# Altium PCB EDA-04211-V4_0_pcb.pcbdoc (part 8 of 12)
Units mm, origin at the board's own origin, x right, y up, seen from the top; angles counter-clockwise.
Board outline 304.8 x 128.5 mm, 14 copper layers (Top Layer, L2, L3GND, L4, L5GND, L6, L7GND, L8, L9GND, L10, L11GND, L12, L13GND, Bottom Layer), stack 4.06 mm thick; 143 components, 1224 nets, 5334 pads, 591 vias.
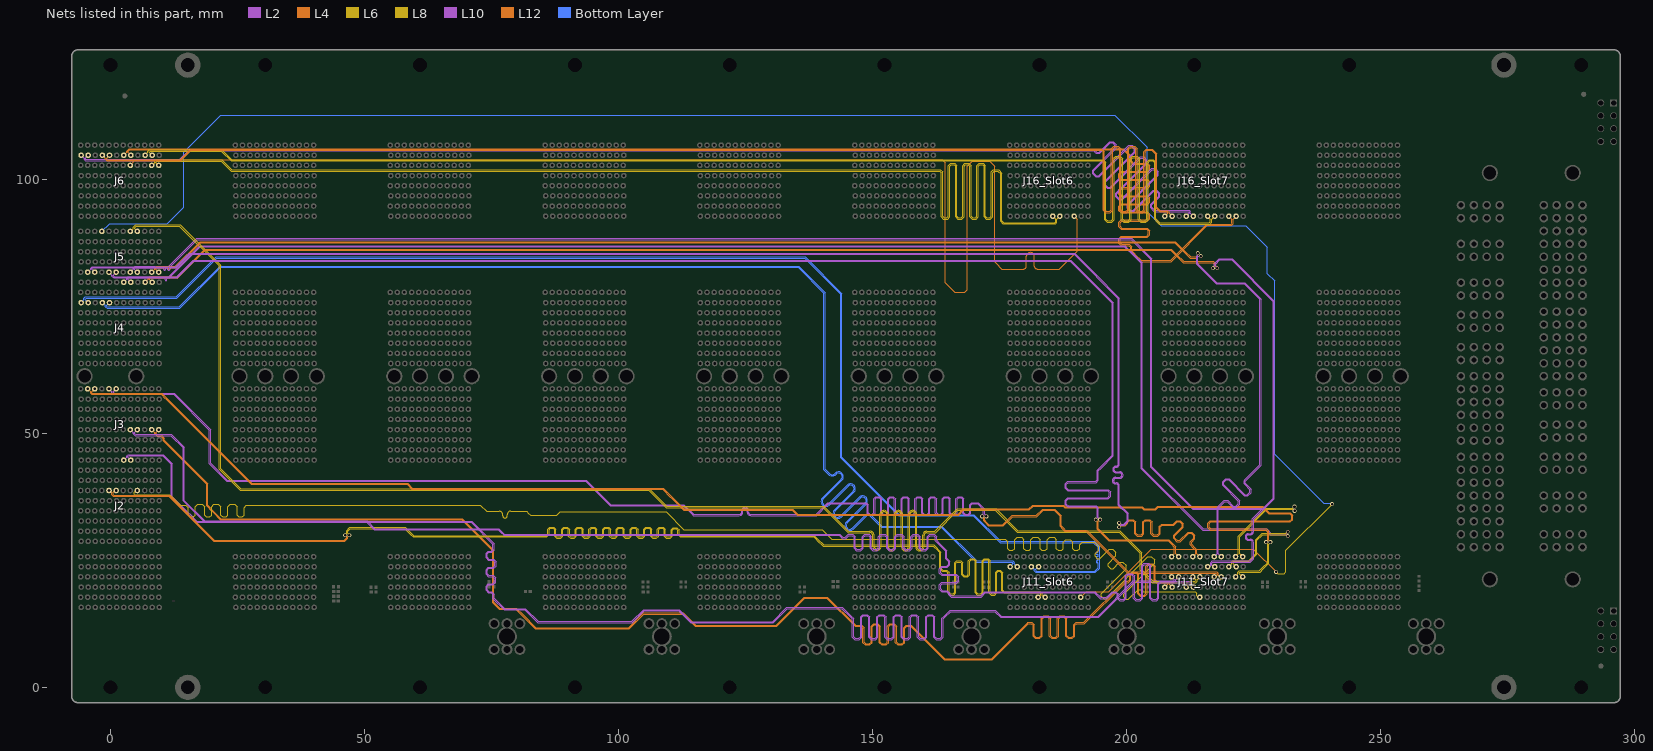
[diagram p20: the nets of this part, all layers, seen from the top]

## Via types
v1: diameter 0.75, hole 0.5, Top Layer to Bottom Layer, tented both sides, 549 vias
v2: diameter 0.85, hole 0.5, Top Layer to Bottom Layer, tented both sides, 32 vias
v3: diameter 1.3, hole 1, Top Layer to Bottom Layer, tented both sides, 10 vias

## Nets (pads, with @x,y where several pads share a name; then routed paths per layer and width w, separated by ;. In a path a pad name is that pad's centre, name@x,y a point inside that pad or via, vN(x,y) a via of type N, cw(c..) or ccw(c..) an arc to the next point about the centre after c; other vN are vias at no path point) (continued)
6_DIFF_13_P: J6.H6 J16_Slot6.J1 | length 270.3
  L12 w0.102: J6.H6@3.92,102.75 4.506,103.336 4.506,103.588 4.748,103.831 163.783,103.831 164.302,103.312 164.302,79.612 166.064,77.85 166.164,77.75 168.14,77.75 168.673,78.283 168.673,102.542 169.683,103.552 173.124,103.552 174.059,102.618 174.059,83.779 174.24,83.598 174.24,83.55 175.44,82.35 179.595,82.35 179.761,82.35 ccw(c179.761,82.909) 180.32,82.909 180.32,84.824 cw(c181.108,84.824) 181.108,85.612 cw(c181.108,84.824) 181.896,84.824 181.896,82.909 ccw(c182.455,82.909) 182.455,82.35 186.024,82.35 186.74,82.35 190.285,85.895 190.285,92.164 J16_Slot6.J1@189.7,92.75
6_DIFF_14_N: J6.L6 J16_Slot6.H1 | length 270.4
  L8 w0.12: J6.L6@9.52,102.75 8.955,103.315 8.955,103.418 9.118,103.581 21.808,103.581 23.764,101.625 162.54,101.625 162.585,101.625 163.266,101.625 163.55,101.341 163.55,92.612 163.992,92.17 164.783,92.17 165.226,92.612 165.226,102.613 165.51,102.897 166.078,102.897 166.362,102.613 166.362,92.612 166.804,92.17 167.595,92.17 168.037,92.612 168.037,102.613 168.321,102.897 168.889,102.897 169.173,102.613 169.173,92.612 169.615,92.17 170.407,92.17 170.849,92.612 170.849,102.613 171.133,102.897 171.701,102.897 171.985,102.613 171.985,92.612 172.427,92.17 173.218,92.17 173.661,92.612 173.661,101.341 173.945,101.625 174.084,101.625 174.713,101.625 175.225,101.114 175.225,91.769 175.699,91.295 175.778,91.216 176.001,91.216 185.811,91.216 186.034,91.216 186.114,91.295 186.335,91.517 186.335,92.185 J16_Slot6.H1@186.9,92.75
6_DIFF_14_P: J6.K6 J16_Slot6.G1 | length 270.4
  L8 w0.12: J6.K6@8.12,102.75 8.685,103.315 8.685,103.53 9.006,103.851 21.92,103.851 23.876,101.895 162.54,101.895 162.585,101.895 163.378,101.895 163.82,101.453 163.82,92.724 164.104,92.44 164.672,92.44 164.956,92.724 164.956,102.725 165.398,103.167 166.189,103.167 166.631,102.725 166.631,92.724 166.915,92.44 167.483,92.44 167.767,92.724 167.767,102.725 168.209,103.167 169.001,103.167 169.443,102.725 169.443,92.724 169.727,92.44 170.295,92.44 170.579,92.724 170.579,102.725 171.021,103.167 171.813,103.167 172.255,102.725 172.255,92.724 172.539,92.44 173.107,92.44 173.391,92.724 173.391,101.453 173.833,101.895 174.084,101.895 174.825,101.895 175.495,101.225 175.495,91.881 175.89,91.486 185.923,91.486 186.065,91.629 186.065,92.185 J16_Slot6.G1@185.5,92.75
6_DIFF_15_N: J2.F6 J11_Slot6.F2 | length 270
  L4 w0.102: J2.F6@1.12,38.75 0.859,38.75 0.534,38.426 0.534,37.965 0.645,37.855 11.564,37.855 20.419,29 46.024,29 46.502,29.478 46.502,29.606 46.19,29.918 v1(46.19,29.957)
  L6 w0.102: v1(46.19,29.957) 46.19,29.996 46.502,30.308 46.502,30.839 47.144,31.482 58.033,31.482 59.278,30.237 59.684,29.831 85.721,29.831 85.839,29.831 86.118,30.11 86.118,31.132 86.532,31.545 87.28,31.545 87.694,31.132 87.694,29.879 87.974,29.599 88.533,29.599 88.812,29.879 88.812,31.132 89.226,31.545 89.974,31.545 90.388,31.132 90.388,29.879 90.668,29.599 91.227,29.599 91.506,29.879 91.506,31.132 91.92,31.545 92.668,31.545 93.082,31.132 93.082,29.879 93.362,29.599 93.921,29.599 94.2,29.879 94.2,31.132 94.614,31.545 95.362,31.545 95.776,31.132 95.776,29.879 96.056,29.599 96.615,29.599 96.894,29.879 96.894,31.132 97.308,31.545 98.056,31.545 98.47,31.132 98.47,29.879 98.75,29.599 99.309,29.599 99.588,29.879 99.588,31.132 100.002,31.545 100.75,31.545 101.164,31.132 101.164,29.879 101.444,29.599 102.003,29.599 102.282,29.879 102.282,31.132 102.696,31.545 103.444,31.545 103.858,31.132 103.858,29.879 104.138,29.599 104.697,29.599 104.976,29.879 104.976,31.132 105.39,31.545 106.138,31.545 106.552,31.132 106.552,29.879 106.832,29.599 107.391,29.599 107.67,29.879 107.67,31.132 108.084,31.545 108.832,31.545 109.246,31.132 109.246,29.879 109.526,29.599 110.085,29.599 110.364,29.879 110.364,31.046 110.778,31.46 111.526,31.46 111.94,31.046 111.94,30.11 112.22,29.831 112.405,29.831 138.577,29.831 139.237,29.17 140.38,28.027 162.087,28.027 163.469,26.645 163.469,23.521 163.79,23.2 163.94,23.05 164.677,23.05 165.09,22.636 165.09,18.68 165.37,18.401 165.929,18.401 166.208,18.68 166.208,24.483 166.622,24.897 167.371,24.897 167.784,24.483 167.784,22.255 168.064,21.975 168.623,21.975 168.902,22.255 168.902,24.922 169.316,25.336 170.065,25.336 170.478,24.922 170.478,18.68 170.758,18.401 171.317,18.401 171.596,18.68 171.596,24.922 172.01,25.336 172.759,25.336 173.172,24.922 173.172,18.68 173.452,18.401 174.011,18.401 174.29,18.68 174.29,22.636 174.704,23.05 174.917,23.05 175.133,23.05 175.669,22.514 175.669,19.09 175.902,18.858 183.087,18.858 183.414,18.53 183.414,18.074 183.739,17.75 J11_Slot6.F2@184,17.75
6_DIFF_15_P: J2.E6 J11_Slot6.E2 | length 270
  L4 w0.102: J2.E6@-0.28,38.75 -0.019,38.75 0.305,38.426 0.305,37.871 0.55,37.626 11.469,37.626 20.324,28.771 46.119,28.771 46.731,29.383 46.731,29.606 47.042,29.918 v1(47.042,29.957)
  L6 w0.102: v1(47.042,29.957) 47.042,29.996 46.731,30.308 46.731,30.745 47.239,31.253 57.938,31.253 58.954,30.237 59.116,30.075 59.589,29.602 85.721,29.602 85.933,29.602 86.347,30.015 86.347,31.037 86.627,31.316 87.186,31.316 87.465,31.037 87.465,29.784 87.879,29.37 88.627,29.37 89.041,29.784 89.041,31.037 89.321,31.316 89.88,31.316 90.159,31.037 90.159,29.784 90.573,29.37 91.321,29.37 91.735,29.784 91.735,31.037 92.015,31.316 92.574,31.316 92.853,31.037 92.853,29.784 93.267,29.37 94.015,29.37 94.429,29.784 94.429,31.037 94.709,31.316 95.268,31.316 95.547,31.037 95.547,29.784 95.961,29.37 96.709,29.37 97.123,29.784 97.123,31.037 97.403,31.316 97.962,31.316 98.241,31.037 98.241,29.784 98.655,29.37 99.403,29.37 99.817,29.784 99.817,31.037 100.097,31.316 100.656,31.316 100.935,31.037 100.935,29.784 101.349,29.37 102.097,29.37 102.511,29.784 102.511,31.037 102.791,31.316 103.35,31.316 103.629,31.037 103.629,29.784 104.043,29.37 104.791,29.37 105.205,29.784 105.205,31.037 105.485,31.316 106.044,31.316 106.323,31.037 106.323,29.784 106.737,29.37 107.485,29.37 107.899,29.784 107.899,31.037 108.179,31.316 108.738,31.316 109.017,31.037 109.017,29.784 109.431,29.37 110.179,29.37 110.593,29.784 110.593,30.951 110.873,31.231 111.432,31.231 111.711,30.951 111.711,30.015 112.125,29.602 112.405,29.602 138.482,29.602 138.914,29.17 139.075,29.008 140.285,27.798 161.992,27.798 162.84,26.95 163.002,26.788 163.24,26.55 163.24,23.426 163.778,22.888 163.79,22.877 163.845,22.821 164.582,22.821 164.861,22.542 164.861,18.586 165.275,18.172 166.024,18.172 166.437,18.586 166.437,24.388 166.717,24.668 167.276,24.668 167.555,24.388 167.555,22.16 167.969,21.746 168.718,21.746 169.131,22.16 169.131,24.828 169.411,25.107 169.97,25.107 170.249,24.828 170.249,18.586 170.663,18.172 171.412,18.172 171.825,18.586 171.825,24.828 172.105,25.107 172.664,25.107 172.943,24.828 172.943,18.586 173.357,18.172 174.106,18.172 174.519,18.586 174.519,22.542 174.799,22.821 174.917,22.821 175.038,22.821 175.44,22.419 175.44,18.996 175.807,18.629 175.891,18.629 182.992,18.629 183.186,18.436 183.186,18.074 182.861,17.75 J11_Slot6.E2@182.6,17.75
6_MGT_Rx_N: J4.E7 J11_Slot6.B5 | length 265
  Bottom Layer w0.15: J4.E7@-0.18,75.75 -0.754,75.176 -0.754,75.068 -0.563,74.877 12.669,74.877 13.57,74.877 21.61,82.916 135.478,82.916 140.7,77.695 140.7,42.947 141.434,42.213 141.576,42.071 ccw(c142.079,42.573) 142.581,42.071 142.655,42.145 cw(c143.336,41.466) 144.053,40.825 144.053,40.823 140.314,37.084 ccw(c140.815,36.581) 141.318,36.08 ; 141.318,36.08 145.019,39.781 cw(c145.7,39.102) 146.379,39.782 ; 143.682,33.716 cw(c143.179,34.217) 142.678,34.72 146.417,38.459 146.417,38.461 ccw(c145.7,39.102) 146.38,39.782 ; 143.682,33.716 147.383,37.417 ; 147.383,37.418 cw(c148.064,36.738) 148.743,37.418 ; 148.744,37.418 cw(c148.064,36.738) 148.781,36.097 148.781,36.095 145.042,32.356 ccw(c145.543,31.854) 146.046,31.352 148.49,33.796 cw(c149.171,33.117) 149.811,33.834 149.814,33.834 149.85,33.798 cw(c149.171,33.117) 149.851,33.796 151.146,32.501 151.252,32.396 151.886,31.762 156.611,31.762 163.593,31.762 163.697,31.761 170.569,24.889 176.328,24.889 177.618,24.89 177.926,24.582 177.926,24.324 J11_Slot6.B5@178.5,23.75
6_MGT_Rx_P: J4.D7 J11_Slot6.A5 | length 265
  Bottom Layer w0.15: J4.D7@-1.58,75.75 -1.006,75.176 -1.006,74.964 -0.667,74.625 12.669,74.625 13.674,74.625 21.714,82.665 135.374,82.665 140.448,77.59 140.448,42.843 141.257,42.035 141.398,41.894 ; 140.136,37.262 ccw(c140.815,36.581) 141.456,35.865 141.458,35.865 145.197,39.603 cw(c145.7,39.102) 146.202,39.604 cw(c145.7,39.102) 146.201,38.6 142.5,34.898 ccw(c143.179,34.217) 143.82,33.501 143.822,33.501 147.561,37.239 cw(c148.064,36.738) 148.566,37.24 cw(c148.064,36.738) 148.565,36.236 144.864,32.534 ccw(c145.543,31.854) 146.184,31.137 146.186,31.137 148.668,33.618 ; 140.136,37.262 143.837,40.963 ; 141.399,41.893 ccw(c142.079,42.573) 142.759,41.893 142.833,41.967 cw(c143.336,41.466) 143.837,40.964 ; 148.668,33.618 cw(c149.171,33.117) 149.673,33.618 ; 149.674,33.618 150.969,32.323 151.074,32.218 151.781,31.51 156.507,31.51 163.593,31.51 170.465,24.638 176.328,24.638 177.514,24.638 177.674,24.477 177.674,24.324 J11_Slot6.A5@177.1,23.75
6_MGT_Tx_N: J4.B7 J11_Slot6.E5 | length 265.5
  Bottom Layer w0.15: J4.B7@-4.38,75.75 -4.954,76.324 -4.954,76.482 -4.805,76.631 10.688,76.631 13.039,76.632 20.927,84.519 136.644,84.519 143.759,77.404 143.759,45.197 155.206,33.75 169.85,33.75 175.116,28.484 193.517,28.484 194.457,27.544 194.457,27.247 194.457,26.768 cw(c194.255,26.768) 194.255,26.566 194.151,26.566 ccw(c194.151,26.364) 193.949,26.364 ccw(c194.151,26.364) 194.151,26.162 194.255,26.162 cw(c194.255,25.96) 194.457,25.96 cw(c194.255,25.96) 194.255,25.758 194.217,25.758 ccw(c194.217,25.556) 194.015,25.556 ccw(c194.217,25.556) 194.217,25.354 194.255,25.354 cw(c194.255,25.152) 194.457,25.152 cw(c194.255,25.152) 194.255,24.95 ccw(c194.255,24.748) 194.053,24.748 ccw(c194.255,24.748) 194.255,24.546 cw(c194.255,24.344) 194.457,24.344 194.457,24.014 194.457,23.582 193.771,22.896 182.265,22.896 182.126,23.035 182.126,23.252 182.624,23.75 J11_Slot6.E5@182.7,23.75
6_MGT_Tx_P: J4.A7 J11_Slot6.D5 | length 265.5
  Bottom Layer w0.15: J4.A7@-5.78,75.75 -5.206,76.324 -5.206,76.586 -4.909,76.883 10.688,76.883 12.935,76.883 20.822,84.77 136.748,84.77 144.01,77.509 144.01,45.301 155.31,34.002 169.954,34.002 175.22,28.736 193.621,28.736 194.709,27.648 194.709,23.478 193.875,22.644 182.161,22.644 181.874,22.931 181.874,23.252 181.376,23.75 J11_Slot6.D5@181.3,23.75
6_SERVMOD: J5.D6 J11_Slot6.K2 | length 383.7
  L8 w0.102: v1(229.47,22.729) 229.786,22.413 231.058,22.413 231.414,22.769 231.414,27.007 240.492,36.085 v1(240.492,36.09)
  L12 w0.102: J11_Slot6.K2@191,17.75 192.054,18.804 196.494,18.804 204.901,27.211 224.988,27.211 v1(229.47,22.729)
  Bottom Layer w0.102: J5.D6@-1.68,89.75 -0.135,91.295 11.165,91.295 14.42,94.55 14.42,105.35 21.72,112.65 27.52,112.65 197.747,112.65 204.073,106.324 204.073,93.624 206.847,90.85 222.62,90.85 223.52,90.85 227.722,86.648 227.722,81.448 229.17,80 229.17,45.9 238.865,36.205 240.377,36.205 v1(240.492,36.09)
7_CLK_N: J5.I6 J11_Slot7.F4 | length 318
  L8 w0.12: J5.I6@5.32,89.75 4.755,90.315 4.755,90.48 5.08,90.805 13.595,90.805 21.432,82.968 21.432,42.961 25.594,38.8 105.988,38.8 109.394,35.395 140.294,35.395 145.208,30.48 146.371,30.48 149.494,30.48 cw(c149.494,29.912) 150.062,29.912 150.062,27.81 ccw(c150.899,27.81) 151.737,27.81 151.737,33.991 cw(c152.305,33.991) 152.873,33.991 152.873,27.686 ccw(c153.711,27.686) 154.549,27.686 154.549,33.991 cw(c155.117,33.991) 155.685,33.991 155.685,27.686 ccw(c156.523,27.686) 157.361,27.686 157.361,33.991 cw(c157.929,33.991) 158.497,33.991 158.497,27.686 ccw(c159.334,27.686) 160.172,27.686 160.172,29.912 cw(c160.74,29.912) 160.74,30.48 160.935,30.48 162.432,30.48 166.8,34.848 174.222,34.848 178.52,30.55 198.55,30.55 202.74,26.36 202.74,23.019 205.135,20.625 205.246,20.625 213.614,20.625 213.915,20.926 213.915,21.185 J11_Slot7.F4@214.48,21.75
7_CLK_P: J5.H6 J11_Slot7.E4 | length 318
  L8 w0.12: J5.H6@3.92,89.75 4.485,90.315 4.485,90.592 4.968,91.075 13.707,91.075 21.702,83.08 21.702,43.073 25.705,39.07 106.1,39.07 109.506,35.664 140.406,35.664 145.32,30.75 146.371,30.75 149.494,30.75 cw(c149.494,29.912) 150.331,29.912 150.331,27.81 ccw(c150.899,27.81) 151.467,27.81 151.467,33.991 cw(c152.305,33.991) 153.143,33.991 153.143,27.686 ccw(c153.711,27.686) 154.279,27.686 154.279,33.991 cw(c155.117,33.991) 155.955,33.991 155.955,27.686 ccw(c156.523,27.686) 157.091,27.686 157.091,33.991 cw(c157.929,33.991) 158.766,33.991 158.766,27.686 ccw(c159.334,27.686) 159.902,27.686 159.902,29.912 cw(c160.74,29.912) 160.74,30.75 160.935,30.75 162.32,30.75 166.688,35.118 174.333,35.118 178.632,30.82 198.662,30.82 203.01,26.472 203.01,23.131 205.246,20.895 213.502,20.895 213.645,21.038 213.645,21.185 J11_Slot7.E4@213.08,21.75
7_DIFF_0_N: J3.I4 J11_Slot7.E3 | length 296.1
  L2 w0.102: J3.I4@5.32,50.75 4.734,50.164 4.734,50.04 4.97,49.805 9.113,49.805 11.992,49.805 14.574,47.223 14.574,36.783 18.581,32.777 50.534,32.777 52.058,31.253 76.468,31.253 77.56,30.16 143.549,30.16 143.745,29.965 144.191,29.518 144.676,29.518 145.263,30.105 146.139,30.105 146.616,29.628 146.616,27.509 146.959,27.166 147.645,27.166 147.988,27.509 147.988,29.628 148.465,30.105 149.341,30.105 149.818,29.628 149.818,27.509 150.161,27.166 150.847,27.166 151.19,27.509 151.19,29.628 151.667,30.105 152.543,30.105 153.02,29.628 153.02,27.509 153.363,27.166 154.049,27.166 154.392,27.509 154.392,29.628 154.869,30.105 155.745,30.105 156.222,29.628 156.222,27.509 156.565,27.166 157.251,27.166 157.594,27.509 157.594,29.628 158.071,30.105 158.947,30.105 159.424,29.628 159.424,27.509 159.767,27.166 160.453,27.166 160.796,27.509 160.796,29.628 161.273,30.105 162.149,30.105 162.626,29.628 162.626,28.965 163.081,28.51 164.655,26.936 164.655,25.388 165.253,24.791 165.253,24.696 165.253,24.099 164.776,23.621 163.772,23.621 163.429,23.278 163.429,22.592 163.772,22.249 166.489,22.249 166.967,21.772 166.967,20.897 166.489,20.419 163.772,20.419 163.429,20.076 163.429,19.39 163.772,19.047 164.776,19.047 165.253,18.57 165.253,18.357 165.61,18 171.3,18 172.129,18.829 193.795,18.829 194.924,17.7 196.078,17.7 196.427,18.049 196.85,18.472 197.248,18.87 197.922,18.87 198.4,18.392 198.4,17.662 198.743,17.319 199.429,17.319 199.772,17.662 199.772,21.929 200.249,22.407 201.124,22.407 201.602,21.929 201.602,17.662 201.945,17.319 202.631,17.319 202.974,17.662 202.974,23.909 203.451,24.386 204.326,24.386 204.804,23.909 204.804,17.662 205.147,17.319 205.833,17.319 206.176,17.662 206.176,20.372 206.653,20.849 206.866,20.849 212.31,20.849 212.594,20.564 212.594,20.335 J11_Slot7.E3@213.18,19.75
7_DIFF_0_P: J3.H4 J11_Slot7.D3 | length 296.1
  L2 w0.102: J3.H4@3.92,50.75 4.506,50.164 4.506,49.945 4.875,49.576 11.898,49.576 14.345,47.128 14.345,36.689 18.352,32.682 18.486,32.548 50.439,32.548 51.963,31.024 76.373,31.024 77.033,30.364 77.195,30.202 77.465,29.931 143.454,29.931 143.745,29.641 144.096,29.289 144.771,29.289 145.358,29.876 146.044,29.876 146.387,29.533 146.387,27.415 146.864,26.937 147.74,26.937 148.217,27.415 148.217,29.533 148.56,29.876 149.246,29.876 149.589,29.533 149.589,27.415 150.066,26.937 150.942,26.937 151.419,27.415 151.419,29.533 151.762,29.876 152.448,29.876 152.791,29.533 152.791,27.415 153.268,26.937 154.144,26.937 154.621,27.415 154.621,29.533 154.964,29.876 155.65,29.876 155.993,29.533 155.993,27.415 156.47,26.937 157.346,26.937 157.823,27.415 157.823,29.533 158.166,29.876 158.852,29.876 159.195,29.533 159.195,27.415 159.672,26.937 160.548,26.937 161.025,27.415 161.025,29.533 161.368,29.876 162.054,29.876 162.397,29.533 162.397,28.87 163.081,28.186 164.426,26.841 164.426,25.294 165.024,24.696 165.024,24.193 164.681,23.85 163.677,23.85 163.2,23.373 163.2,22.498 163.677,22.02 166.395,22.02 166.738,21.677 166.738,20.991 166.395,20.648 163.677,20.648 163.2,20.171 163.2,19.296 163.677,18.818 164.681,18.818 165.024,18.475 165.024,18.357 165.024,18.262 165.515,17.771 171.395,17.771 172.224,18.6 193.7,18.6 194.3,18 194.462,17.838 194.829,17.471 196.173,17.471 196.85,18.148 197.343,18.641 197.828,18.641 198.171,18.298 198.171,17.567 198.648,17.09 199.523,17.09 200.001,17.567 200.001,21.835 200.344,22.178 201.03,22.178 201.373,21.835 201.373,17.567 201.85,17.09 202.725,17.09 203.203,17.567 203.203,23.814 203.546,24.157 204.232,24.157 204.575,23.814 204.575,17.567 205.052,17.09 205.927,17.09 206.405,17.567 206.405,20.277 206.748,20.62 206.866,20.62 212.215,20.62 212.366,20.469 212.366,20.335 J11_Slot7.D3@211.78,19.75
7_DIFF_1_N: J3.L4 J11_Slot7.B3 | length 296.2
  L12 w0.102: J3.L4@9.52,50.75 8.935,50.165 8.935,50.056 9.309,49.682 10.006,49.682 10.619,49.069 10.619,48.613 19.146,40.085 19.146,35.85 20.289,34.707 21.762,33.234 69.26,33.234 75.474,27.021 75.474,16.784 76.658,15.6 79.902,15.6 81.14,14.362 83.737,11.765 101.993,11.765 104.893,14.664 112.757,14.664 115.206,12.216 131.087,12.216 136.625,17.753 141.147,17.753 146.684,12.216 147.099,12.216 147.892,12.216 148.369,11.738 148.369,8.918 148.712,8.575 149.398,8.575 149.741,8.918 149.741,12.061 150.218,12.538 151.094,12.538 151.571,12.061 151.571,8.918 151.914,8.575 152.6,8.575 152.943,8.918 152.943,12.061 153.42,12.538 154.296,12.538 154.773,12.061 154.773,8.918 155.116,8.575 155.802,8.575 156.145,8.918 156.145,11.738 156.622,12.216 156.835,12.216 157.674,12.216 164.253,5.637 173.48,5.637 180.607,12.764 180.617,12.774 181.378,12.774 181.855,12.297 181.855,10.195 182.198,9.852 182.884,9.852 183.227,10.195 183.227,13.58 183.704,14.057 184.58,14.057 185.057,13.58 185.057,10.195 185.4,9.852 186.086,9.852 186.429,10.195 186.429,13.58 186.906,14.057 187.782,14.057 188.259,13.58 188.259,10.195 188.602,9.852 189.288,9.852 189.631,10.195 189.631,12.297 190.108,12.774 190.321,12.774 191.641,12.774 199.731,20.864 200.174,20.864 200.292,20.864 200.635,21.207 200.635,22.211 201.112,22.688 201.988,22.688 202.465,22.211 202.465,18.524 202.808,18.181 203.494,18.181 203.837,18.524 203.837,23.881 204.314,24.358 205.19,24.358 205.667,23.881 205.667,21.207 206.01,20.864 206.486,20.864 208.137,20.864 208.395,20.607 208.395,20.335 J11_Slot7.B3@208.98,19.75
7_DIFF_1_P: J3.K4 J11_Slot7.A3 | length 296.2
  L12 w0.102: J3.K4@8.12,50.75 8.706,50.164 8.706,49.961 9.214,49.453 9.911,49.453 10.39,48.974 10.39,48.518 18.917,39.991 18.917,35.755 19.965,34.707 20.127,34.545 21.668,33.005 69.166,33.005 75.245,26.926 75.245,16.69 76.563,15.371 79.807,15.371 81.046,14.133 83.643,11.536 102.087,11.536 104.987,14.436 112.662,14.436 115.111,11.987 131.182,11.987 136.719,17.524 141.052,17.524 146.59,11.987 147.099,11.987 147.797,11.987 148.14,11.644 148.14,8.823 148.617,8.346 149.493,8.346 149.97,8.823 149.97,11.966 150.313,12.309 150.999,12.309 151.342,11.966 151.342,8.823 151.819,8.346 152.695,8.346 153.172,8.823 153.172,11.966 153.515,12.309 154.201,12.309 154.544,11.966 154.544,8.823 155.021,8.346 155.897,8.346 156.374,8.823 156.374,11.644 156.717,11.987 156.835,11.987 157.58,11.987 164.158,5.408 173.575,5.408 180.607,12.44 180.712,12.545 181.283,12.545 181.626,12.202 181.626,10.1 182.103,9.623 182.979,9.623 183.456,10.1 183.456,13.485 183.799,13.828 184.485,13.828 184.828,13.485 184.828,10.1 185.305,9.623 186.181,9.623 186.658,10.1 186.658,13.485 187.001,13.828 187.687,13.828 188.03,13.485 188.03,10.1 188.507,9.623 189.383,9.623 189.86,10.1 189.86,12.202 190.203,12.545 190.321,12.545 191.736,12.545 199.826,20.636 200.174,20.636 200.387,20.636 200.864,21.113 200.864,22.116 201.207,22.459 201.893,22.459 202.236,22.116 202.236,18.429 202.713,17.952 203.589,17.952 204.066,18.429 204.066,23.786 204.409,24.129 205.095,24.129 205.438,23.786 205.438,21.113 205.915,20.636 206.486,20.636 208.043,20.636 208.165,20.513 208.165,20.335 J11_Slot7.A3@207.58,19.75
7_DIFF_2_N: J3.H1 J11_Slot7.C4 | length 296.2
  L10 w0.102: J3.H1@4.02,44.75 3.434,45.335 3.434,45.45 3.561,45.576 10.259,45.576 10.778,45.056 11.958,43.876 11.958,37.457 15.428,33.986 16.944,32.471 70.995,32.471 75.282,28.184 75.282,27.626 75.282,27.175 74.939,26.832 74.426,26.832 73.949,26.354 73.949,25.479 74.426,25.002 75.362,25.002 75.705,24.659 75.705,23.973 75.362,23.63 74.426,23.63 73.949,23.152 73.949,22.277 74.426,21.8 75.259,21.8 75.602,21.457 75.602,20.771 75.259,20.428 74.426,20.428 73.949,19.95 73.949,19.075 74.426,18.598 74.939,18.598 75.282,18.255 75.282,18.137 75.282,17.488 77.495,15.275 81.595,15.275 84.133,12.736 102.76,12.736 105.069,15.046 111.861,15.046 114.196,12.711 130.459,12.711 133.269,15.521 144,15.521 145.561,13.96 145.706,13.815 145.723,13.815 146.066,13.472 146.066,9.898 146.543,9.421 147.419,9.421 147.896,9.898 147.896,13.769 148.239,14.112 148.925,14.112 149.268,13.769 149.268,9.898 149.745,9.421 150.621,9.421 151.098,9.898 151.098,13.769 151.441,14.112 152.127,14.112 152.47,13.769 152.47,9.898 152.947,9.421 153.823,9.421 154.3,9.898 154.3,13.769 154.643,14.112 155.329,14.112 155.672,13.769 155.672,9.898 156.149,9.421 157.025,9.421 157.502,9.898 157.502,13.769 157.845,14.112 158.531,14.112 158.874,13.769 158.874,9.898 159.351,9.421 160.227,9.421 160.704,9.898 160.704,13.769 161.047,14.112 161.733,14.112 162.076,13.769 162.076,9.898 162.553,9.421 163.429,9.421 163.906,9.898 163.906,13.472 164.249,13.815 164.278,13.815 164.367,13.904 165.396,14.933 174.115,14.933 175.258,13.79 194.555,13.79 201.475,20.709 209.456,20.709 209.695,20.948 209.695,21.164 J11_Slot7.C4@210.28,21.75
7_DIFF_2_P: J3.G1 J11_Slot7.B4 | length 296.2
  L10 w0.102: J3.G1@2.62,44.75 3.206,45.335 3.206,45.545 3.466,45.805 10.353,45.805 12.187,43.971 12.187,37.551 15.428,34.31 15.59,34.148 17.038,32.7 71.09,32.7 75.511,28.279 75.511,27.626 75.511,27.08 75.034,26.603 74.521,26.603 74.178,26.26 74.178,25.574 74.521,25.231 75.457,25.231 75.934,24.753 75.934,23.878 75.457,23.401 74.521,23.401 74.178,23.058 74.178,22.372 74.521,22.029 75.354,22.029 75.831,21.551 75.831,20.676 75.354,20.199 74.521,20.199 74.178,19.856 74.178,19.17 74.521,18.827 75.034,18.827 75.511,18.349 75.511,18.137 75.511,17.583 77.59,15.504 81.5,15.504 81.69,15.504 84.228,12.966 102.665,12.966 104.974,15.275 111.956,15.275 114.291,12.94 130.364,12.94 133.174,15.75 144.095,15.75 145.561,14.284 145.801,14.044 145.818,14.044 146.295,13.567 146.295,9.993 146.638,9.65 147.324,9.65 147.667,9.993 147.667,13.864 148.144,14.341 149.02,14.341 149.497,13.864 149.497,9.993 149.84,9.65 150.526,9.65 150.869,9.993 150.869,13.864 151.346,14.341 152.222,14.341 152.699,13.864 152.699,9.993 153.042,9.65 153.728,9.65 154.071,9.993 154.071,13.864 154.548,14.341 155.424,14.341 155.901,13.864 155.901,9.993 156.244,9.65 156.93,9.65 157.273,9.993 157.273,13.864 157.75,14.341 158.626,14.341 159.103,13.864 159.103,9.993 159.446,9.65 160.132,9.65 160.475,9.993 160.475,13.864 160.952,14.341 161.828,14.341 162.305,13.864 162.305,9.993 162.648,9.65 163.334,9.65 163.677,9.993 163.677,13.567 164.154,14.044 164.184,14.044 164.367,14.228 165.301,15.162 174.21,15.162 175.353,14.019 194.46,14.019 201.38,20.938 209.361,20.938 209.465,21.042 209.465,21.164 J11_Slot7.B4@208.88,21.75
7_DIFF_3_N: J3.C8 J11_Slot7.L4 | length 294
  L4 w0.102: J3.C8@-3.08,58.75 -3.665,58.165 -3.665,58.008 -3.539,57.882 8.859,57.882 10.087,57.882 27.801,40.168 58.484,40.168 59.45,39.203 108.791,39.203 112.915,35.079 134.345,35.079 135.312,34.112 166.882,34.112 167.92,35.15 180.796,35.15 181.518,35.872 187.622,35.872 187.943,35.551 203.143,35.551 203.544,35.15 205.648,35.15 206.148,35.65 226.864,35.65 227.602,34.912 227.664,34.85 228.125,34.389 232.295,34.389 232.772,33.912 232.772,33.036 232.295,32.559 216.607,32.559 216.264,32.216 216.264,31.53 216.607,31.187 227.559,31.187 228.036,30.71 228.036,30.552 228.036,30.434 228.036,28.936 228.348,28.625 v1(228.348,28.586)
  L8 w0.12: J11_Slot7.L4@222.88,21.75 222.245,22.385 222.245,22.597 222.315,22.667 226.309,22.667 226.979,23.337 228.057,24.415 228.057,28.2 228.348,28.491 v1(228.348,28.586)
7_DIFF_3_P: J3.B8 J11_Slot7.K4 | length 294
  L4 w0.102: J3.B8@-4.48,58.75 -3.895,58.165 -3.895,57.913 -3.634,57.653 9.993,57.653 10.713,56.932 10.875,56.77 27.706,39.939 58.39,39.939 59.355,38.974 108.696,38.974 110.22,37.45 110.382,37.288 112.82,34.85 134.25,34.85 135.217,33.883 166.977,33.883 168.015,34.921 180.891,34.921 181.613,35.643 187.527,35.643 187.848,35.322 203.048,35.322 203.449,34.921 205.743,34.921 206.243,35.421 226.769,35.421 227.278,34.912 227.34,34.85 227.345,34.845 227.373,34.817 227.507,34.683 228.03,34.16 232.2,34.16 232.543,33.817 232.543,33.131 232.2,32.788 216.512,32.788 216.035,32.311 216.035,31.435 216.512,30.958 227.464,30.958 227.807,30.615 227.807,30.552 227.807,30.434 227.807,28.936 227.496,28.625 v1(227.496,28.586)
  L8 w0.12: J11_Slot7.K4@221.48,21.75 221.48,21.871 221.936,22.327 221.936,22.669 222.204,22.937 226.197,22.937 226.867,23.607 227.787,24.527 227.787,28.2 227.496,28.491 v1(227.496,28.586)
7_DIFF_4_N: J3.F8 J11_Slot7.I4 | length 293.6
  L4 w0.102: v1(172.431,33.65) 172.42,33.65 172.12,33.35 172.12,32.85 172.42,32.55 172.92,32.05 175.696,32.05 177.496,33.85 182.296,33.85 183.52,35.074 185.88,35.074 186.183,34.771 186.491,34.463 187.193,33.761 187.193,31.786 187.65,31.329 188.005,30.974 192.126,30.974 192.261,30.839 200.371,22.729 217.793,22.729 218.095,22.427 218.095,22.074 218.419,21.75 J11_Slot7.I4@218.68,21.75
  L10 w0.102: J3.F8@1.12,58.75 0.534,58.165 0.534,58.101 0.753,57.882 12.526,57.882 19.731,50.677 19.731,44.073 23.001,40.803 93.663,40.803 98.487,35.979 112.889,35.979 114.811,34.057 123.667,34.057 123.833,34.057 ccw(c123.833,34.489) 124.265,34.489 124.265,34.79 cw(c124.926,34.79) 124.926,35.451 cw(c124.926,34.79) 125.587,34.79 125.587,34.489 ccw(c126.019,34.489) 126.019,34.057 129.528,34.057 138.933,34.057 141.226,36.35 147.828,36.35 148.75,36.35 149.164,35.936 149.164,34.343 149.443,34.064 150.002,34.064 150.282,34.343 150.282,37.107 150.695,37.52 151.444,37.52 151.858,37.107 151.858,34.343 152.137,34.064 152.696,34.064 152.976,34.343 152.976,37.107 153.389,37.52 154.138,37.52 154.552,37.107 154.552,34.343 154.831,34.064 155.39,34.064 155.67,34.343 155.67,37.107 156.083,37.52 156.832,37.52 157.246,37.107 157.246,34.343 157.525,34.064 158.084,34.064 158.364,34.343 158.364,37.107 158.777,37.52 159.526,37.52 159.94,37.107 159.94,34.343 160.219,34.064 160.778,34.064 161.058,34.343 161.058,37.107 161.471,37.52 162.22,37.52 162.634,37.107 162.634,34.343 162.913,34.064 163.472,34.064 163.752,34.343 163.752,37.107 164.165,37.52 164.914,37.52 165.328,37.107 165.328,34.343 165.607,34.064 166.166,34.064 166.446,34.343 166.446,37.107 166.859,37.52 167.608,37.52 168.022,37.107 168.022,34.343 168.301,34.064 168.86,34.064 169.14,34.343 169.14,35.936 169.553,36.35 169.766,36.35 170.82,36.35 172.071,35.099 172.071,34.049 172.431,33.689 v1(172.431,33.65)
7_DIFF_4_P: J3.E8 J11_Slot7.H4 | length 293.6
  L4 w0.102: v1(171.579,33.65) 171.591,33.65 171.891,33.35 171.891,32.755 172.177,32.469 172.825,31.821 175.791,31.821 177.591,33.621 182.391,33.621 183.615,34.845 185.785,34.845 185.954,34.676 186.248,34.382 186.964,33.666 186.964,31.691 187.407,31.248 187.91,30.745 192.032,30.745 200.276,22.5 217.698,22.5 217.865,22.332 217.865,22.074 217.541,21.75 J11_Slot7.H4@217.28,21.75
  L10 w0.102: J3.E8@-0.28,58.75 0.306,58.165 0.306,58.006 0.658,57.653 12.431,57.653 19.502,50.582 19.502,43.978 22.906,40.574 93.568,40.574 98.392,35.75 112.794,35.75 114.498,34.047 114.717,33.828 123.667,33.828 123.833,33.828 ccw(c123.833,34.489) 124.494,34.489 124.494,34.79 cw(c124.926,34.79) 124.926,35.222 cw(c124.926,34.79) 125.358,34.79 125.358,34.489 ccw(c126.019,34.489) 126.019,33.828 129.528,33.828 139.028,33.828 141.321,36.121 147.828,36.121 148.655,36.121 148.935,35.842 148.935,34.249 149.348,33.835 150.097,33.835 150.511,34.249 150.511,37.012 150.79,37.291 151.349,37.291 151.629,37.012 151.629,34.249 152.042,33.835 152.791,33.835 153.205,34.249 153.205,37.012 153.484,37.291 154.043,37.291 154.323,37.012 154.323,34.249 154.736,33.835 155.485,33.835 155.899,34.249 155.899,37.012 156.178,37.291 156.737,37.291 157.017,37.012 157.017,34.249 157.43,33.835 158.179,33.835 158.593,34.249 158.593,37.012 158.872,37.291 159.431,37.291 159.711,37.012 159.711,34.249 160.124,33.835 160.873,33.835 161.287,34.249 161.287,37.012 161.566,37.291 162.125,37.291 162.405,37.012 162.405,34.249 162.818,33.835 163.567,33.835 163.981,34.249 163.981,37.012 164.26,37.291 164.819,37.291 165.099,37.012 165.099,34.249 165.512,33.835 166.261,33.835 166.675,34.249 166.675,37.012 166.954,37.291 167.513,37.291 167.793,37.012 167.793,34.249 168.206,33.835 168.955,33.835 169.369,34.249 169.369,35.842 169.648,36.121 169.766,36.121 170.725,36.121 171.842,35.004 171.842,34.034 171.579,33.771 v1(171.579,33.65)
7_DIFF_5_N: J5.H1 J11_Slot7.K5 | length 295.7
  L8 w0.12: J11_Slot7.K5@221.58,23.75 221.015,24.315 221.015,24.419 221.015,24.628 221.085,24.698 224.189,24.698 224.256,24.765 224.894,25.403 225.699,26.208 225.699,28.916 226.847,30.063 231.384,30.063 231.675,29.772 v1(231.77,29.772)
  L10 w0.102: J5.H1@4.02,79.75 3.434,80.336 3.434,80.451 3.598,80.614 9.453,80.614 9.504,80.614 10.572,80.614 cw(c10.572,80.437) 10.75,80.437 10.75,80.264 ccw(c10.928,80.264) 10.928,80.086 ccw(c10.928,80.264) 11.106,80.264 11.106,80.437 cw(c11.284,80.437) 11.284,80.614 11.574,80.615 11.878,80.918 17.711,86.751 199.619,86.751 201.32,85.05 202.891,83.479 202.891,43.055 214.996,30.95 227.496,30.95 228.362,30.084 231.419,30.084 231.73,29.772 v1(231.77,29.772)
7_DIFF_5_P: J5.G1 J11_Slot7.J5 | length 295.8
  L8 w0.12: J11_Slot7.J5@220.18,23.75 220.745,24.315 220.745,24.419 220.745,24.74 220.974,24.968 224.078,24.968 224.624,25.515 225.429,26.319 225.429,29.028 226.735,30.333 231.384,30.333 231.675,30.624 v1(231.77,30.624)
  L10 w0.102: J5.G1@2.62,79.75 3.206,80.336 3.206,80.546 3.503,80.844 11.48,80.844 17.616,86.98 199.714,86.98 201.32,85.374 203.12,83.574 203.12,43.15 215.091,31.179 227.591,31.179 228.457,30.313 231.419,30.313 231.73,30.624 v1(231.77,30.624)
7_DIFF_6_N: J5.K1 J11_Slot7.H5 | length 295.8
  L2 w0.102: v1(217.024,82.51) 217.024,82.548 217.335,82.86 217.335,83.41 218.289,84.364 220.789,84.364 229.141,76.013 229.141,37.171 225.049,33.079 225.049,32.545 225.049,30.695 cw(c224.388,30.695) 224.388,30.034 224.029,30.034 ccw(c224.029,29.602) 223.597,29.602 ccw(c224.029,29.602) 224.029,29.17 224.388,29.17 cw(c224.388,28.509) 225.049,28.509 225.049,28.344 225.049,25.355 224.354,24.66 217.012,24.66 216.794,24.442 216.794,24.074 217.119,23.75 J11_Slot7.H5@217.38,23.75
  L4 w0.102: J5.K1@8.22,79.75 7.635,80.336 7.635,80.435 7.814,80.614 11.145,80.614 13.257,80.615 18.682,86.04 208.758,86.04 211.177,83.621 217.033,83.621 217.343,83.311 217.343,83.004 217.024,82.685 v1(217.024,82.51)
7_DIFF_6_P: J5.J1 J11_Slot7.G5 | length 295.7
  L2 w0.102: J11_Slot7.G5@215.98,23.75 216.241,23.75 216.566,24.074 216.566,24.537 216.917,24.889 224.259,24.889 224.82,25.45 224.82,28.344 224.82,28.509 ccw(c224.388,28.509) 224.388,28.941 224.029,28.941 cw(c224.029,29.602) 223.368,29.602 cw(c224.029,29.602) 224.029,30.263 224.388,30.263 ccw(c224.388,30.695) 224.82,30.695 224.82,32.545 224.82,33.174 228.912,37.266 228.912,75.918 220.695,84.135 ; v1(217.876,82.51) 217.876,82.548 217.564,82.86 217.564,83.316 218.384,84.136 220.694,84.136
  L4 w0.102: J5.J1@6.82,79.75 7.405,80.336 7.405,80.529 7.72,80.844 13.162,80.844 18.587,86.269 208.852,86.269 209.919,85.202 211.271,83.85 217.128,83.85 217.572,83.406 217.572,82.989 217.876,82.685 v1(217.876,82.51)
7_DIFF_7_N: J5.C2 J11_Slot7.F6 | length 295.6
  L2 w0.102: J5.C2@-3.08,81.75 -3.665,82.335 -3.665,82.435 -3.489,82.612 10.72,82.612 11.127,82.612 cw(c11.127,82.434) 11.305,82.434 11.305,82.244 ccw(c11.483,82.244) 11.483,82.066 ccw(c11.483,82.244) 11.661,82.244 11.661,82.434 cw(c11.839,82.434) 11.839,82.612 12.42,82.612 12.999,82.612 15.615,85.227 189.708,85.227 198.394,76.541 198.394,44.715 198.394,43.982 cw(c197.962,43.982) 197.962,43.55 ccw(c197.962,42.889) 197.301,42.889 ccw(c197.962,42.889) 197.962,42.228 198.68,42.228 cw(c198.68,41.796) 199.112,41.796 cw(c198.68,41.796) 198.68,41.364 197.888,41.364 ccw(c197.888,40.703) 197.227,40.703 ccw(c197.888,40.703) 197.888,40.042 197.962,40.042 cw(c197.962,39.61) 198.394,39.61 198.394,39.444 198.394,35.876 200.12,34.15 200.12,32.775 199.494,32.15 198.953,32.15 198.731,32.372 v1(198.57,32.372)
  L4 w0.102: v1(198.57,32.372) 198.609,32.372 198.92,32.061 199.569,32.061 199.666,32.061 200.031,32.426 200.031,32.559 200.508,33.036 201.383,33.036 201.861,32.559 201.861,30.342 202.204,29.999 202.89,29.999 203.233,30.342 203.233,32.563 203.71,33.04 204.585,33.04 205.063,32.563 205.063,30.346 205.406,30.003 206.092,30.003 206.435,30.346 206.435,31.673 206.912,32.15 207.831,32.15 208.583,32.15 209.235,32.15 209.88,32.794 210.555,32.794 211.174,32.175 211.174,31.5 209.558,29.884 209.558,29.399 210.043,28.914 210.528,28.914 212.144,30.53 212.819,30.53 213.438,29.911 213.438,29.236 212.815,28.613 212.815,28.128 213.368,27.576 213.894,27.049 213.894,26.335 J11_Slot7.F6@214.48,25.75
7_DIFF_7_P: J5.B2 J11_Slot7.E6 | length 295.7
  L2 w0.102: J5.B2@-4.48,81.75 -3.895,82.335 -3.895,82.53 -3.583,82.841 12.905,82.841 15.52,85.456 189.802,85.456 193.765,81.494 198.623,76.636 198.623,44.715 198.623,43.982 cw(c197.962,43.982) 197.962,43.321 ccw(c197.962,42.889) 197.53,42.889 ccw(c197.962,42.889) 197.962,42.457 198.68,42.457 cw(c198.68,41.796) 199.341,41.796 cw(c198.68,41.796) 198.68,41.135 197.888,41.135 ccw(c197.888,40.703) 197.456,40.703 ccw(c197.888,40.703) 197.888,40.271 197.962,40.271 cw(c197.962,39.61) 198.623,39.61 198.623,39.444 198.623,35.971 200.349,34.245 200.349,32.681 199.589,31.921 198.92,31.921 198.57,31.57 v1(198.57,31.52)
  L4 w0.102: v1(198.57,31.52) 198.609,31.52 198.92,31.832 199.57,31.832 199.761,31.832 200.26,32.331 200.26,32.464 200.603,32.807 201.289,32.807 201.632,32.464 201.632,30.247 202.109,29.77 202.984,29.77 203.462,30.247 203.462,32.468 203.805,32.811 204.491,32.811 204.834,32.468 204.834,30.251 205.311,29.774 206.186,29.774 206.664,30.251 206.664,31.578 207.007,31.921 207.832,31.921 208.354,31.921 209.33,31.921 209.975,32.565 210.46,32.565 210.945,32.08 210.945,31.595 209.329,29.979 209.329,29.304 209.948,28.685 210.623,28.685 212.239,30.301 212.724,30.301 213.209,29.816 213.209,29.331 212.586,28.708 212.586,28.033 213.206,27.414 213.665,26.954 213.665,26.335 J11_Slot7.E6@213.08,25.75
7_DIFF_8_N: J5.F2 J11_Slot7.C6 | length 295.6
  L2 w0.102: J5.F2@1.12,81.75 0.534,81.165 0.534,81.053 0.728,80.86 11.247,80.86 13.076,80.86 16.327,84.11 189.04,84.11 197.449,75.701 197.449,45.559 195.02,43.13 194.504,42.614 194.504,40.791 194.027,40.314 188.54,40.314 188.197,39.971 188.197,39.285 188.54,38.942 196.413,38.942 196.89,38.465 196.89,37.589 196.413,37.112 188.54,37.112 188.197,36.769 188.197,36.083 188.54,35.74 194.027,35.74 194.504,35.263 194.504,35.05 194.504,33.381 194.816,33.07 v1(194.816,33.031)
  L4 w0.102: v1(194.816,33.031) 194.816,32.991 194.504,32.68 194.504,31.205 196.666,29.043 208.344,29.043 209.3,28.087 209.694,27.693 209.694,26.335 J11_Slot7.C6@210.28,25.75
7_DIFF_8_P: J5.E2 J11_Slot7.B6 | length 295.6
  L2 w0.102: J5.E2@-0.28,81.75 0.306,81.165 0.306,80.958 0.633,80.631 13.171,80.631 16.422,83.881 188.946,83.881 194.543,78.284 197.22,75.607 197.22,45.654 194.696,43.13 194.275,42.709 194.275,40.886 193.932,40.543 188.445,40.543 187.968,40.066 187.968,39.19 188.445,38.713 196.318,38.713 196.661,38.37 196.661,37.684 196.318,37.341 188.445,37.341 187.968,36.864 187.968,35.988 188.445,35.511 193.932,35.511 194.275,35.168 194.275,35.05 194.275,33.381 193.964,33.07 v1(193.964,33.031)
  L4 w0.102: v1(193.964,33.031) 193.964,32.991 194.275,32.68 194.275,31.111 196.572,28.814 208.249,28.814 208.976,28.087 209.138,27.925 209.465,27.598 209.465,26.335 J11_Slot7.B6@208.88,25.75
7_DIFF_9_N: J5.I2 J11_Slot7.L6 | length 296.5
  L8 w0.12: 222.315,26.315 J11_Slot7.L6@222.88,25.75 222.315,26.315 222.315,29.672 227.668,35.025 232.72,35.025 233.011,34.734 v1(233.106,34.734)
  L10 w0.102: J5.I2@5.32,81.75 4.734,82.335 4.734,82.411 4.97,82.646 9.92,82.646 10.327,82.646 cw(c10.327,82.469) 10.505,82.469 10.505,82.317 ccw(c10.683,82.317) 10.683,82.139 ccw(c10.683,82.317) 10.861,82.317 10.861,82.469 cw(c11.039,82.469) 11.039,82.647 11.42,82.647 11.596,82.647 17.098,88.148 200.928,88.148 204.791,84.285 204.791,83.55 204.791,43.355 208.958,39.188 213.101,35.045 232.755,35.045 233.066,34.734 v1(233.106,34.734)
7_DIFF_9_P: J5.H2 J11_Slot7.K6 | length 295.8
  L8 w0.12: J11_Slot7.K6@221.48,25.75 222.045,26.315 222.045,29.784 227.556,35.295 232.705,35.295 232.996,35.586 v1(233.09,35.586)
  L10 w0.102: J5.H2@3.92,81.75 4.506,82.335 4.506,82.506 4.875,82.876 11.501,82.876 17.003,88.377 201.023,88.377 205.02,84.38 205.02,83.645 205.02,43.45 208.958,39.512 213.196,35.274 232.739,35.274 233.051,35.586 v1(233.09,35.586)
7_DIFF_10_N: J5.L2 J11_Slot7.I6 | length 295.8
  L2 w0.102: v1(214.65,84.897) 214.623,84.87 214.182,84.87 214.049,84.737 214.049,83.34 217.749,79.64 223.33,79.64 223.397,79.573 226.453,76.516 226.523,76.447 226.523,45.384 226.523,43.733 223.498,40.708 223.414,40.624 223.414,40.139 224.538,39.015 224.538,38.34 223.919,37.721 223.244,37.721 220.12,40.845 219.635,40.845 219.15,40.36 219.15,39.874 222.274,36.751 222.274,36.076 221.655,35.457 220.98,35.457 219.856,36.581 219.371,36.581 218.484,35.694 218.095,35.305 218.095,26.335 J11_Slot7.I6@218.68,25.75
  L4 w0.102: J5.L2@9.52,81.75 8.935,82.335 8.935,82.467 9.088,82.621 10.874,82.621 11.281,82.621 cw(c11.281,82.443) 11.459,82.443 ccw(c11.637,82.443) 11.637,82.265 ccw(c11.637,82.443) 11.815,82.443 cw(c11.993,82.443) 11.993,82.621 12.42,82.621 12.85,82.621 17.768,87.539 208.732,87.539 209.526,87.539 211.618,85.447 212.574,84.491 213.803,84.491 214.182,84.87 214.623,84.87 v1(214.65,84.897)
7_DIFF_10_P: J5.K2 J11_Slot7.H6 | length 295.8
  L2 w0.102: v1(214.048,85.5) 214.02,85.473 214.02,85.032 213.82,84.831 213.82,83.245 217.654,79.411 223.235,79.411 226.291,76.355 226.294,76.352 226.294,45.479 ; J11_Slot7.H6@217.28,25.75 217.865,26.335 217.865,35.399 218.322,35.856 219.276,36.81 219.951,36.81 221.075,35.686 221.56,35.686 222.045,36.171 222.045,36.656 218.921,39.78 218.921,40.454 219.54,41.074 220.215,41.074 223.339,37.95 223.824,37.95 224.309,38.435 224.309,38.92 223.185,40.044 223.185,40.719 223.336,40.869 226.294,43.828 226.294,45.479
  L4 w0.102: J5.K2@8.12,81.75 8.706,82.336 8.706,82.562 8.993,82.85 12.755,82.85 17.673,87.768 208.826,87.768 209.621,87.767 211.618,85.77 212.669,84.72 213.708,84.72 214.02,85.032 214.02,85.473 v1(214.048,85.5)
7_DIFF_11_N: J6.B7 J16_Slot7.E1 | length 296.2
  L10 w0.102: J6.B7@-4.38,104.75 -4.965,104.165 -4.965,104.042 -4.844,103.92 13.68,103.92 15.61,105.85 193.64,105.85 194.06,105.43 194.144,105.346 194.629,105.346 196.685,107.402 197.36,107.402 197.979,106.783 197.979,106.108 193.591,101.72 193.591,101.235 194.076,100.75 194.561,100.75 200.485,106.674 201.16,106.674 201.779,106.055 201.779,105.38 195.855,99.456 195.855,98.971 196.34,98.486 196.825,98.486 202.749,104.41 203.424,104.41 204.043,103.79 204.043,103.116 198.119,97.192 198.119,96.707 198.604,96.222 199.089,96.222 205.013,102.146 205.688,102.146 206.307,101.526 206.307,100.852 200.383,94.928 200.383,94.442 200.868,93.957 201.354,93.957 205.293,97.897 205.968,97.897 206.587,97.278 206.587,96.603 204.98,94.995 204.98,94.51 205.366,94.124 205.616,93.874 207.143,93.874 212.361,93.874 212.594,93.64 212.594,93.336 J16_Slot7.E1@213.18,92.75
7_DIFF_11_P: J6.A7 J16_Slot7.D1 | length 296.2
  L10 w0.102: J6.A7@-5.78,104.75 -5.195,104.165 -5.195,103.947 -4.938,103.691 13.775,103.691 15.705,105.622 193.545,105.622 193.899,105.268 194.049,105.117 194.724,105.117 196.78,107.173 197.265,107.173 197.75,106.688 197.75,106.203 193.362,101.815 193.362,101.14 193.981,100.521 194.656,100.521 200.58,106.445 201.065,106.445 201.55,105.96 201.55,105.475 195.626,99.551 195.626,98.876 196.245,98.257 196.92,98.257 202.844,104.181 203.329,104.181 203.814,103.696 203.814,103.211 197.89,97.287 197.89,96.612 198.509,95.993 199.184,95.993 205.108,101.917 205.593,101.917 206.078,101.431 206.078,100.946 200.154,95.022 200.154,94.348 200.774,93.728 201.448,93.728 205.388,97.668 205.873,97.668 206.358,97.183 206.358,96.698 204.751,95.09 204.751,94.416 205.204,93.962 ; 205.204,93.962 205.521,93.645 212.266,93.645 212.366,93.545 212.366,93.336 J16_Slot7.D1@211.78,92.75
7_DIFF_12_N: J6.E7 J16_Slot7.B1 | length 296.1
  L4 w0.102: J6.E7@-0.18,104.75 -0.766,104.165 -0.766,104.054 -0.593,103.881 13.739,103.881 15.771,105.913 193.08,105.913 193.39,105.913 195.204,105.913 195.681,105.436 195.681,94.039 196.024,93.696 196.71,93.696 197.053,94.039 197.053,106.005 197.531,106.483 198.406,106.483 198.883,106.005 198.883,94.039 199.226,93.696 199.912,93.696 200.255,94.039 200.255,106.005 200.733,106.483 201.608,106.483 202.085,106.005 202.085,94.039 202.428,93.696 203.114,93.696 203.457,94.039 203.457,105.436 203.935,105.913 205.006,105.913 205.101,105.913 205.969,105.045 205.969,94.549 206.669,93.848 208.17,93.848 208.395,93.623 208.395,93.336 J16_Slot7.B1@208.98,92.75
7_DIFF_12_P: J6.D7 J16_Slot7.A1 | length 296.1
  L4 w0.102: J6.D7@-1.58,104.75 -0.994,104.165 -0.994,103.959 -0.688,103.652 13.834,103.652 15.866,105.684 193.39,105.684 195.109,105.684 195.452,105.341 195.452,93.945 195.93,93.467 196.805,93.467 197.282,93.945 197.282,105.911 197.625,106.254 198.311,106.254 198.654,105.911 198.654,93.945 199.132,93.467 200.007,93.467 200.484,93.945 200.484,105.911 200.827,106.254 201.513,106.254 201.856,105.911 201.856,93.945 202.334,93.467 203.209,93.467 203.686,93.945 203.686,105.341 204.029,105.684 205.006,105.684 205.74,104.95 205.74,94.454 206.574,93.619 208.075,93.619 208.165,93.529 208.165,93.336 J16_Slot7.A1@207.58,92.75
7_DIFF_13_N: J6.H7 J16_Slot7.K1 | length 296.1
  L12 w0.102: J6.H7@4.02,104.75 3.434,105.335 3.434,105.419 3.834,105.818 3.873,105.818 5.355,105.818 ; 5.356,105.818 6.42,105.818 199.372,105.818 200.14,105.05 200.811,104.379 200.811,103.805 200.811,103.464 201.288,102.987 203.98,102.987 204.323,102.644 204.323,101.958 203.98,101.615 199.002,101.615 198.525,101.138 198.525,100.262 199.002,99.785 203.98,99.785 204.323,99.442 204.323,98.756 203.98,98.413 199.002,98.413 198.525,97.936 198.525,97.06 199.002,96.583 203.98,96.583 204.323,96.24 204.323,95.554 203.98,95.211 199.002,95.211 198.525,94.734 198.525,93.858 199.002,93.381 203.98,93.381 204.323,93.038 204.323,92.352 203.98,92.009 199.002,92.009 198.525,91.532 198.525,90.656 199.002,90.179 203.98,90.179 204.323,89.836 204.323,89.15 203.98,88.807 199.002,88.807 198.525,88.33 198.525,87.454 199.002,86.977 200.468,86.977 200.811,86.634 200.811,86.516 200.811,85.855 202.278,84.388 202.845,83.821 208.811,83.821 215.942,90.952 219.304,90.952 220.692,90.952 220.995,91.255 220.995,92.164 J16_Slot7.K1@221.58,92.75
7_DIFF_13_P: J6.G7 J16_Slot7.J1 | length 296.1
  L12 w0.102: J6.G7@2.62,104.75 3.206,105.336 3.206,105.514 3.739,106.047 6.24,106.047 199.467,106.047 200.14,105.374 201.04,104.474 201.04,103.805 201.04,103.559 201.383,103.216 204.075,103.216 204.552,102.739 204.552,101.863 204.075,101.386 199.097,101.386 198.754,101.043 198.754,100.357 199.097,100.014 204.075,100.014 204.552,99.537 204.552,98.661 204.075,98.184 199.097,98.184 198.754,97.841 198.754,97.155 199.097,96.812 204.075,96.812 204.552,96.335 204.552,95.459 204.075,94.982 199.097,94.982 198.754,94.639 198.754,93.953 199.097,93.61 204.075,93.61 204.552,93.133 204.552,92.257 204.075,91.78 199.097,91.78 198.754,91.437 198.754,90.751 199.097,90.408 204.075,90.408 204.552,89.931 204.552,89.055 204.075,88.578 199.097,88.578 198.754,88.235 198.754,87.549 199.097,87.206 200.563,87.206 201.04,86.729 201.04,86.516 201.04,85.95 202.278,84.712 202.44,84.55 202.94,84.05 208.716,84.05 215.847,91.181 220.597,91.181 220.765,91.35 220.765,92.164 J16_Slot7.J1@220.18,92.75
7_DIFF_14_N: J6.K7 J16_Slot7.H1 | length 296.2
  L8 w0.12: J6.K7@8.22,104.75 7.655,105.315 7.655,105.42 7.798,105.562 21.833,105.562 23.764,103.632 192.84,103.632 192.94,103.632 195.347,103.632 195.695,103.284 195.695,92.078 196.2,91.573 197.119,91.573 197.624,92.078 197.624,103.951 197.972,104.298 198.667,104.298 199.014,103.951 199.014,92.078 199.52,91.573 200.438,91.573 200.944,92.078 200.944,103.951 201.291,104.298 201.986,104.298 202.334,103.951 202.334,92.078 202.839,91.573 203.758,91.573 204.264,92.078 204.264,103.284 204.611,103.632 204.75,103.632 205.158,103.632 205.54,103.25 205.54,92.123 205.974,91.689 206.452,91.211 216.459,91.211 216.815,91.568 216.815,92.185 J16_Slot7.H1@217.38,92.75
7_DIFF_14_P: J6.J7 J16_Slot7.G1 | length 296.2
  L8 w0.12: J6.J7@6.82,104.75 7.385,105.315 7.385,105.532 7.686,105.832 21.945,105.832 23.876,103.902 192.84,103.902 192.94,103.902 195.459,103.902 195.964,103.396 195.964,92.19 196.312,91.843 197.007,91.843 197.354,92.19 197.354,104.062 197.86,104.568 198.779,104.568 199.284,104.062 199.284,92.19 199.632,91.843 200.327,91.843 200.674,92.19 200.674,104.062 201.18,104.568 202.098,104.568 202.604,104.062 202.604,92.19 202.951,91.843 203.646,91.843 203.994,92.19 203.994,103.396 204.499,103.902 204.75,103.902 205.27,103.902 205.81,103.362 205.81,92.235 206.086,91.959 206.564,91.481 216.347,91.481 216.545,91.68 216.545,92.185 J16_Slot7.G1@215.98,92.75
7_DIFF_15_N: J2.I6 J11_Slot7.F2 | length 296.2
  L6 w0.102: J2.I6@5.32,38.75 5.059,38.75 4.735,38.426 4.735,38.042 4.869,37.907 11.683,37.907 13.34,36.25 13.74,35.85 13.923,35.85 14.849,35.85 15.326,35.373 15.326,33.907 15.669,33.564 16.355,33.564 16.698,33.907 16.698,35.581 17.175,36.058 18.051,36.058 18.528,35.581 18.528,33.907 18.871,33.564 19.557,33.564 19.9,33.907 19.9,35.581 20.377,36.058 21.253,36.058 21.73,35.581 21.73,33.907 22.073,33.564 22.759,33.564 23.102,33.907 23.102,35.581 23.579,36.058 24.455,36.058 24.932,35.581 24.932,33.907 25.275,33.564 25.961,33.564 26.304,33.907 26.304,35.373 26.781,35.85 26.994,35.85 72.85,35.85 74.046,34.654 74.484,34.654 76.574,34.654 cw(c76.574,33.993) 77.235,33.993 77.235,33.76 ccw(c77.667,33.76) 77.667,33.328 ccw(c77.667,33.76) 78.099,33.76 78.099,33.993 cw(c78.76,33.993) 78.76,34.654 78.926,34.654 81.941,34.654 82.295,34.3 82.745,33.85 87.821,33.85 88.521,34.55 104.514,34.55 109.395,34.55 112.896,31.049 140.121,31.049 142,29.17 174.096,29.17 176.149,29.17 176.626,28.693 176.626,27.288 176.969,26.945 177.655,26.945 177.998,27.288 177.998,29.039 178.475,29.516 179.351,29.516 179.828,29.039 179.828,27.288 180.171,26.945 180.857,26.945 181.2,27.288 181.2,29.039 181.677,29.516 182.553,29.516 183.03,29.039 183.03,27.288 183.373,26.945 184.059,26.945 184.402,27.288 184.402,29.039 184.879,29.516 185.755,29.516 186.232,29.039 186.232,27.288 186.575,26.945 187.261,26.945 187.604,27.288 187.604,28.609 188.081,29.086 188.957,29.086 189.434,28.609 189.434,27.288 189.777,26.945 190.463,26.945 190.806,27.288 190.806,28.108 191.283,28.586 191.496,28.586 193.634,28.586 193.863,28.357 194.545,27.675 194.545,27 193.82,26.276 193.82,25.791 194.305,25.306 194.79,25.306 196.652,27.167 197.326,27.167 197.946,26.548 197.946,25.873 196.424,24.351 196.424,23.866 196.909,23.381 197.394,23.381 198.631,24.618 199.305,24.618 199.925,23.999 199.925,23.324 195.039,18.438 195.039,17.953 195.524,17.468 196.009,17.468 204.243,25.702 204.918,25.702 205.537,25.083 205.537,24.408 199.427,18.298 199.427,17.813 199.912,17.328 200.397,17.328 202.307,19.238 202.982,19.238 203.133,19.087 203.362,18.858 213.576,18.858 213.894,18.54 213.894,18.074 214.219,17.75 J11_Slot7.F2@214.48,17.75

## Text inside footprints (layer, text, board x,y; h text height)
J24_Slot3: Drill Drawing "Diam. 0.5mm +/-0.05" at 84.938,79.326 h1; Drill Drawing "PRESS-FIT TECHNOLOGY" at 84.057,80.826 h1; Bottom Overlay "8" at 103.86,77.4 h1 r270; Bottom Overlay "7" at 103.86,75.4 h1 r270; Bottom Overlay "6" at 103.86,73.4 h1 r270; Bottom Overlay "5" at 103.86,71.4 h1 r270; Bottom Overlay "4" at 103.86,69.4 h1 r270; Bottom Overlay "3" at 103.86,67.4 h1 r270; Bottom Overlay "2" at 103.86,65.4 h1 r270; Bottom Overlay "1" at 103.86,63.4 h1 r270; Mechanical 14 "8" at 103.86,77.4 h1 r270; Mechanical 14 "7" at 103.86,75.4 h1 r270; Mechanical 14 "6" at 103.86,73.4 h1 r270; Mechanical 14 "5" at 103.86,71.4 h1 r270; Mechanical 14 "4" at 103.86,69.4 h1 r270; Mechanical 14 "3" at 103.86,67.4 h1 r270; Mechanical 14 "2" at 103.86,65.4 h1 r270; Mechanical 14 "1" at 103.86,63.4 h1 r270; Mechanical 14 "L" at 100.56,61.55 h1 r270; Mechanical 14 "K" at 99.16,61.55 h1 r270; Mechanical 14 "J" at 97.76,61.55 h1 r270; Mechanical 14 "I" at 96.36,61.8 h1 r270; Mechanical 14 "H" at 94.96,61.55 h1 r270; Mechanical 14 "G" at 93.56,61.55 h1 r270; Mechanical 14 "F" at 92.16,61.55 h1 r270; Mechanical 14 "E" at 90.76,61.55 h1 r270; Mechanical 14 "D" at 89.36,61.55 h1 r270; Mechanical 14 "C" at 87.96,61.55 h1 r270; Mechanical 14 "B" at 86.56,61.55 h1 r270; Mechanical 14 "A" at 85.16,61.55 h1 r270
J24_Slot4: Drill Drawing "Diam. 0.5mm +/-0.05" at 115.532,79.75 h1; Drill Drawing "PRESS-FIT TECHNOLOGY" at 114.651,81.25 h1; Bottom Overlay "8" at 134.34,77.4 h1 r270; Bottom Overlay "7" at 134.34,75.4 h1 r270; Bottom Overlay "6" at 134.34,73.4 h1 r270; Bottom Overlay "5" at 134.34,71.4 h1 r270; Bottom Overlay "4" at 134.34,69.4 h1 r270; Bottom Overlay "3" at 134.34,67.4 h1 r270; Bottom Overlay "2" at 134.34,65.4 h1 r270; Bottom Overlay "1" at 134.34,63.4 h1 r270; Mechanical 14 "8" at 134.34,77.4 h1 r270; Mechanical 14 "7" at 134.34,75.4 h1 r270; Mechanical 14 "6" at 134.34,73.4 h1 r270; Mechanical 14 "5" at 134.34,71.4 h1 r270; Mechanical 14 "4" at 134.34,69.4 h1 r270; Mechanical 14 "3" at 134.34,67.4 h1 r270; Mechanical 14 "2" at 134.34,65.4 h1 r270; Mechanical 14 "1" at 134.34,63.4 h1 r270; Mechanical 14 "L" at 131.04,61.55 h1 r270; Mechanical 14 "K" at 129.64,61.55 h1 r270; Mechanical 14 "J" at 128.24,61.55 h1 r270; Mechanical 14 "I" at 126.84,61.8 h1 r270; Mechanical 14 "H" at 125.44,61.55 h1 r270; Mechanical 14 "G" at 124.04,61.55 h1 r270; Mechanical 14 "F" at 122.64,61.55 h1 r270; Mechanical 14 "E" at 121.24,61.55 h1 r270; Mechanical 14 "D" at 119.84,61.55 h1 r270; Mechanical 14 "C" at 118.44,61.55 h1 r270; Mechanical 14 "B" at 117.04,61.55 h1 r270; Mechanical 14 "A" at 115.64,61.55 h1 r270
J24_Slot5: Drill Drawing "Diam. 0.5mm +/-0.05" at 146.052,79.55 h1; Drill Drawing "PRESS-FIT TECHNOLOGY" at 145.171,81.05 h1; Bottom Overlay "8" at 164.82,77.4 h1 r270; Bottom Overlay "7" at 164.82,75.4 h1 r270; Bottom Overlay "6" at 164.82,73.4 h1 r270; Bottom Overlay "5" at 164.82,71.4 h1 r270; Bottom Overlay "4" at 164.82,69.4 h1 r270; Bottom Overlay "3" at 164.82,67.4 h1 r270; Bottom Overlay "2" at 164.82,65.4 h1 r270; Bottom Overlay "1" at 164.82,63.4 h1 r270; Mechanical 14 "8" at 164.82,77.4 h1 r270; Mechanical 14 "7" at 164.82,75.4 h1 r270; Mechanical 14 "6" at 164.82,73.4 h1 r270; Mechanical 14 "5" at 164.82,71.4 h1 r270; Mechanical 14 "4" at 164.82,69.4 h1 r270; Mechanical 14 "3" at 164.82,67.4 h1 r270; Mechanical 14 "2" at 164.82,65.4 h1 r270; Mechanical 14 "1" at 164.82,63.4 h1 r270; Mechanical 14 "L" at 161.52,61.55 h1 r270; Mechanical 14 "K" at 160.12,61.55 h1 r270; Mechanical 14 "J" at 158.72,61.55 h1 r270; Mechanical 14 "I" at 157.32,61.8 h1 r270; Mechanical 14 "H" at 155.92,61.55 h1 r270; Mechanical 14 "G" at 154.52,61.55 h1 r270; Mechanical 14 "F" at 153.12,61.55 h1 r270; Mechanical 14 "E" at 151.72,61.55 h1 r270; Mechanical 14 "D" at 150.32,61.55 h1 r270; Mechanical 14 "C" at 148.92,61.55 h1 r270; Mechanical 14 "B" at 147.52,61.55 h1 r270; Mechanical 14 "A" at 146.12,61.55 h1 r270